# Altium PCB V3mycar.PcbDoc (part 3 of 4)
Units mil, origin at the board's own origin, x right, y up, seen from the top; angles counter-clockwise.
Board outline 5668.3 x 4141.25 mil, 2 copper layers (Top Layer, Bottom Layer); 227 components, 0 nets, 638 pads, 77 vias.
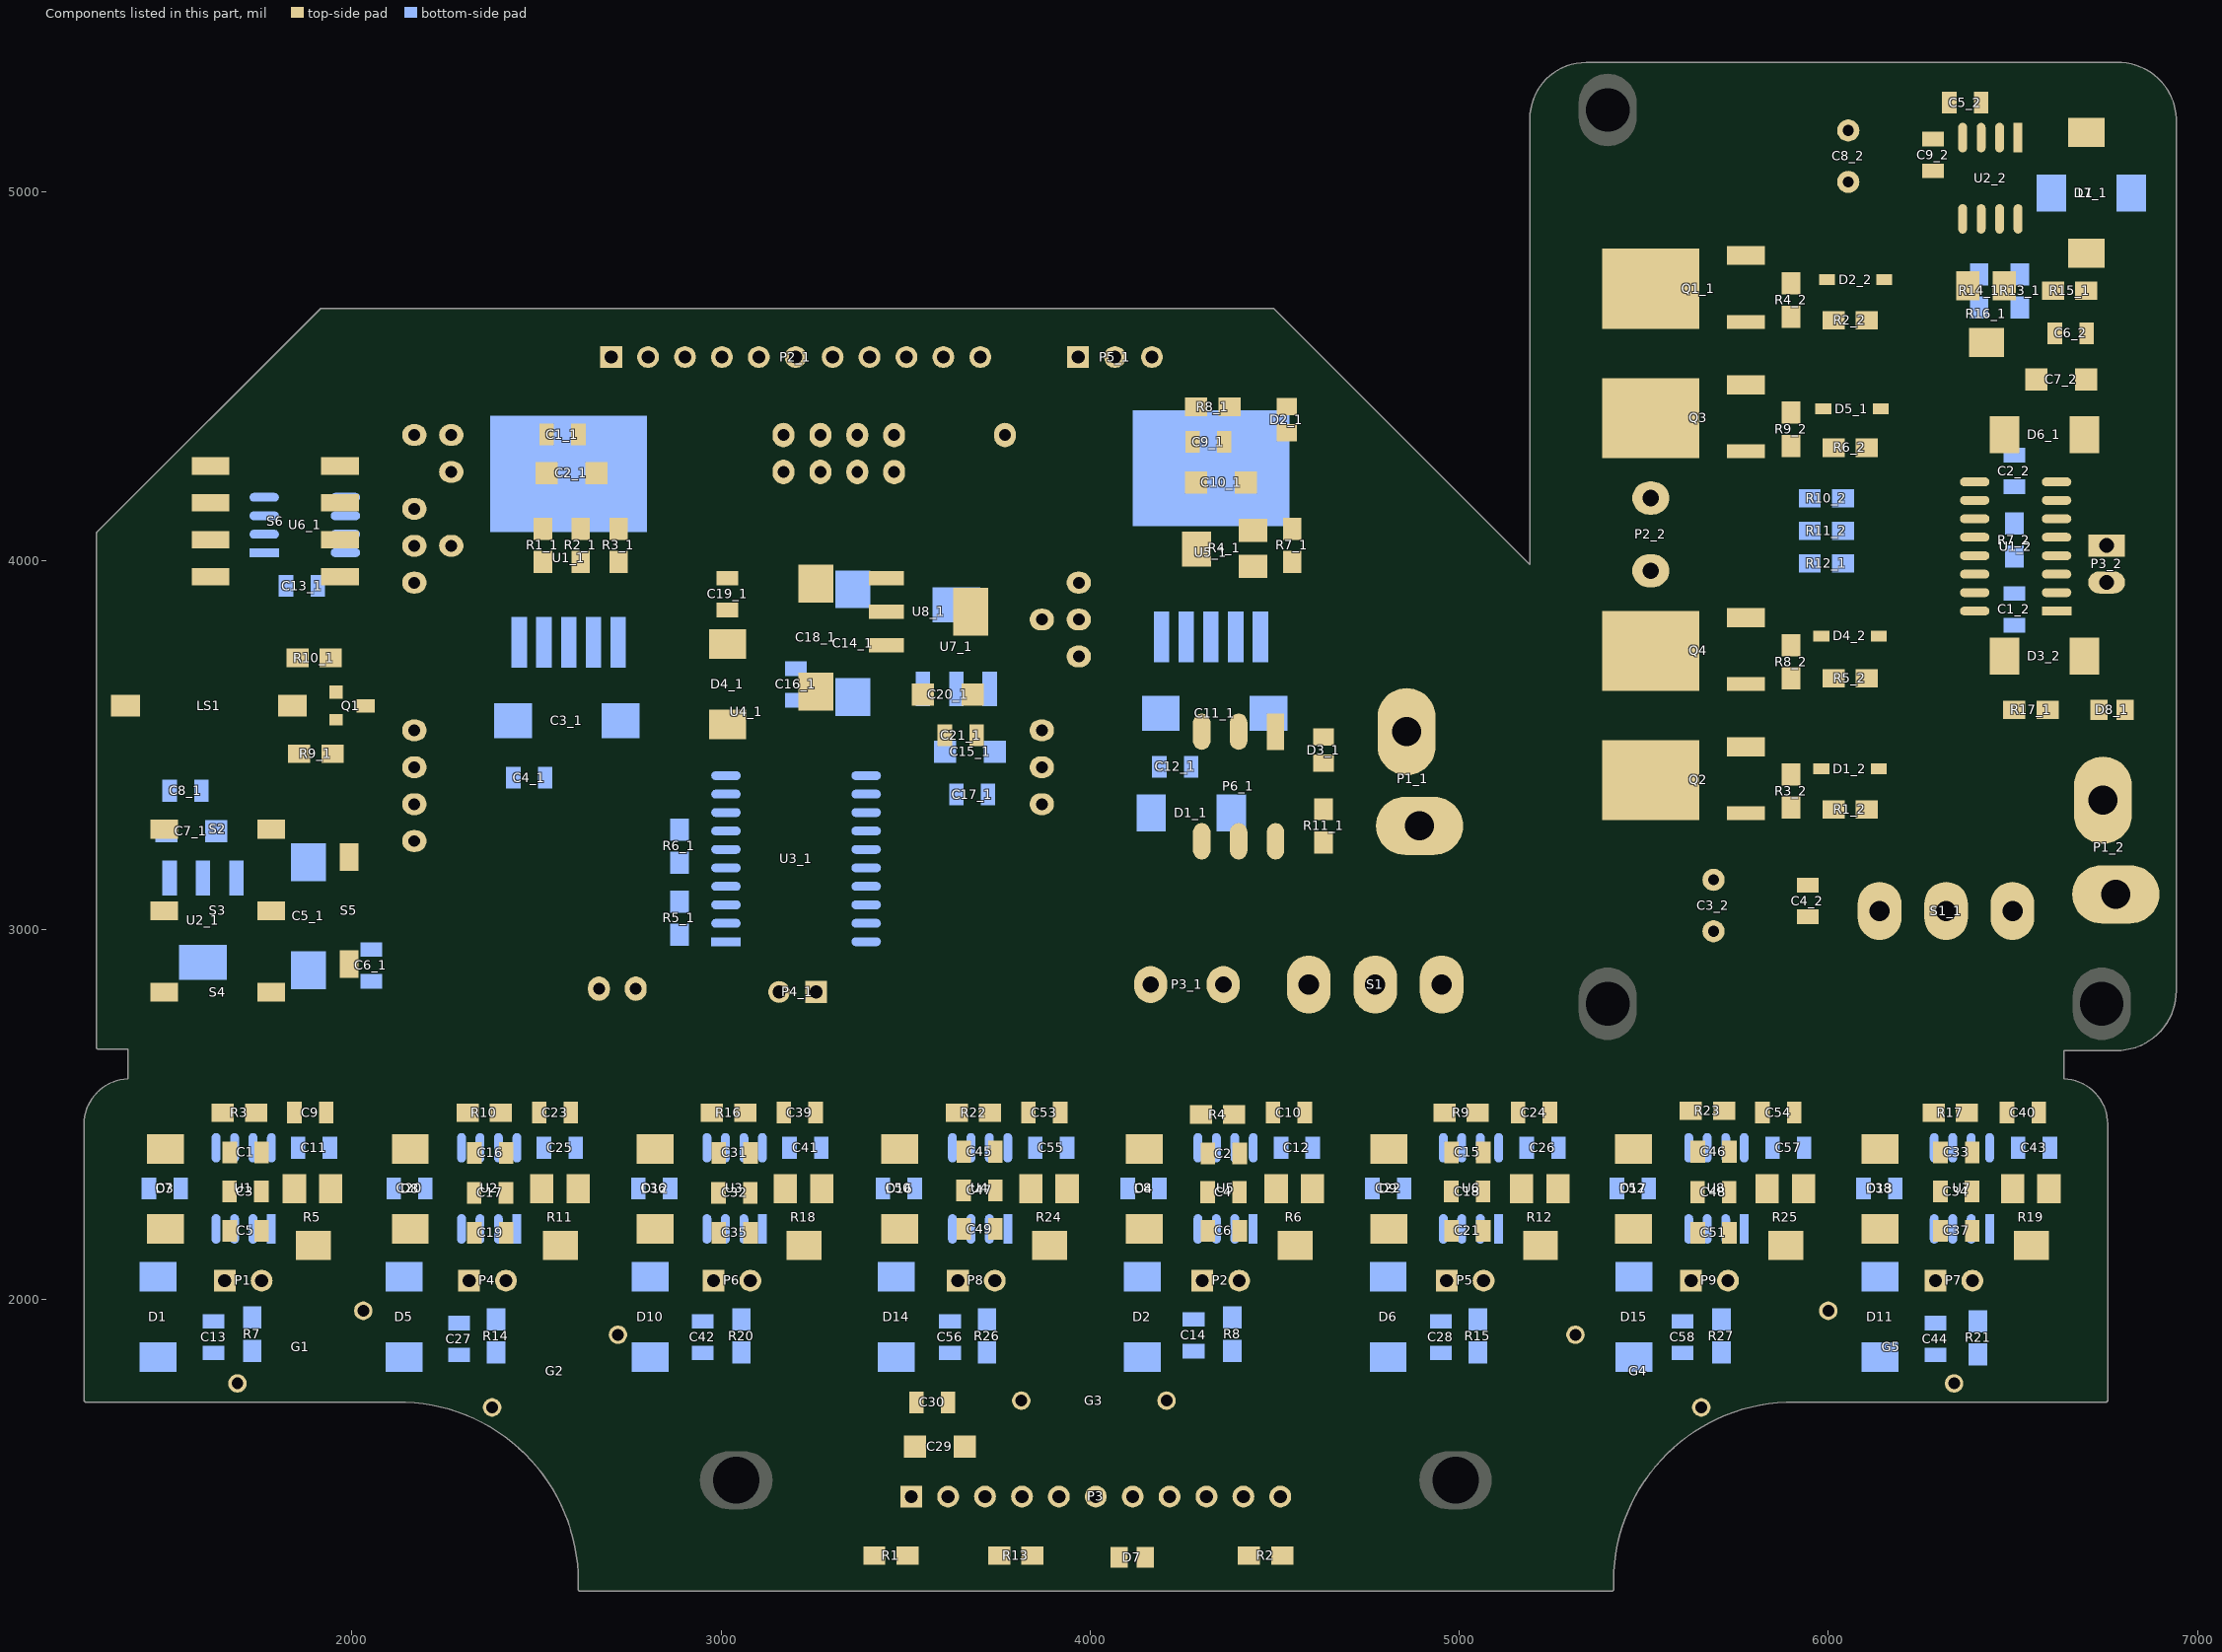
[diagram p3: the components of this part, seen from the top]

## Via types
v1: diameter 30, hole 20, Top Layer to Bottom Layer, 49 vias
v2: diameter 25, hole 18, Top Layer to Bottom Layer, 9 vias
v3: diameter 40, hole 30, Top Layer to Bottom Layer, 6 vias
v4: diameter 78.74, hole 39.37, Top Layer to Bottom Layer, 4 vias
v5: diameter 35, hole 20, Top Layer to Bottom Layer, 4 vias
v6: diameter 20, hole 15, Top Layer to Bottom Layer, 4 vias
v7: diameter 60, hole 30, Top Layer to Bottom Layer, 1 vias

## Nets (pads, with @x,y where several pads share a name; then routed paths per layer and width w, separated by ;. In a path a pad name is that pad's centre, name@x,y a point inside that pad or via, vN(x,y) a via of type N, cw(c..) or ccw(c..) an arc to the next point about the centre after c; other vN are vias at no path point) (continued)
copper on no net: (continued)
  Top Layer w1: 5301,1342 5303,1342 ; 5301,1473 5320,1473 ; 5302,1318 5304,1318 ; 5303,1314 5304,1314 ; 5303,1315 5304,1315 ; 5303,1316 5304,1316 ; 5303,1317 5304,1317 ; 5303,1343 5330,1343 ; 5303,1347 5317,1347 ; 5304,1341 5327,1341 ; 5304,1342 5328,1342 ; 5304,1344 5330,1344 ; 5304,1345 5332,1345 ; 5304,1346 5333,1346 ; 5305,1460 5306,1460 ; 5305,1461 5307,1461 ; 5306,1319 5309,1319 ; 5306,1320 5308,1320 ; 5306,1409 5309,1409 ; 5306,1453 5312,1453 ; 5306,1462 5315,1462 ; 5306,1472 5323,1472 ; 5307,1305 5323,1305 ; 5307,1316 5308,1316 ; 5307,1317 5308,1317 ; 5307,1318 5308,1318 ; 5307,1410 5310,1410 ; 5307,1463 5308,1463 ; 5308,1314 5309,1314 ; 5308,1315 5309,1315 ; 5308,1454 5310,1454 ; 5308,1455 5311,1455 ; 5308,1456 5311,1456 ; 5308,1458 5309,1458 ; 5308,1459 5310,1459 ; 5308,1460 5310,1460 ; 5309,1318 5310,1318 ; 5309,1411 5313,1411 ; 5310,1316 5313,1316 ; 5310,1317 5311,1317 ; 5310,1457 5311,1457 ; 5310,1463 5313,1463 ; 5311,1315 5312,1315 ; 5311,1318 5313,1318 ; 5311,1319 5312,1319 ; 5311,1320 5312,1320 ; 5311,1321 5312,1321 ; 5311,1412 5314,1412 ; 5311,1458 5313,1458 ; 5311,1459 5313,1459 ; 5311,1460 5313,1460 ; 5311,1464 5313,1464 ; 5311,1465 5312,1465 ; 5312,1306 5326,1306 ; 5312,1317 5313,1317 ; 5312,1461 5313,1461 ; 5312,1471 5326,1471 ; 5313,1413 5317,1413 ; 5315,1307 5328,1307 ; 5315,1318 5320,1318 ; 5315,1319 5316,1319 ; 5315,1320 5316,1320 ; 5315,1321 5316,1321 ; 5315,1322 5316,1322 ; 5315,1414 5317,1414 ; 5315,1460 5317,1460 ; 5315,1461 5317,1461 ; 5315,1470 5328,1470 ; 5316,1401 5318,1401 ; 5316,1403 5318,1403 ; 5316,1404 5318,1404 ; 5316,1405 5318,1405 ; 5316,1406 5318,1406 ; 5316,1407 5318,1407 ; 5316,1408 5318,1408 ; 5316,1409 5318,1409 ; 5316,1410 5318,1410 ; 5316,1411 5317,1411 ; 5316,1412 5317,1412 ; 5317,1317 5318,1317 ; 5317,1323 5319,1323 ; 5317,1364 5346,1364 ; 5317,1365 5346,1365 ; 5317,1366 5346,1366 ; 5317,1367 5348,1367 ; 5317,1368 5347,1368 ; 5317,1369 5348,1369 ; 5317,1370 5348,1370 ; 5317,1371 5348,1371 ; 5317,1372 5348,1372 ; 5317,1373 5350,1373 ; 5317,1374 5349,1374 ; 5317,1375 5349,1375 ; 5317,1376 5350,1376 ; 5317,1377 5350,1377 ; 5317,1378 5350,1378 ; 5317,1379 5350,1379 ; 5317,1380 5350,1380 ; 5317,1381 5350,1381 ; 5317,1382 5350,1382 ; 5317,1383 5351,1383 ; 5317,1384 5351,1384 ; 5317,1385 5351,1385 ; 5317,1386 5351,1386 ; 5317,1387 5351,1387 ; 5317,1388 5351,1388 ; 5317,1389 5351,1389 ; 5317,1390 5324,1390 ; 5317,1391 5324,1391 ; 5317,1392 5323,1392 ; 5317,1393 5322,1393 ; 5317,1394 5322,1394 ; 5317,1395 5321,1395 ; 5317,1396 5320,1396 ; 5317,1397 5319,1397 ; 5317,1398 5319,1398 ; 5317,1399 5318,1399 ; 5317,1400 5318,1400 ; 5317,1402 5318,1402 ; 5318,1320 5321,1320 ; 5318,1347 5334,1347 ; 5318,1348 5335,1348 ; 5318,1349 5336,1349 ; 5318,1350 5337,1350 ; 5318,1351 5337,1351 ; 5318,1352 5339,1352 ; 5318,1353 5339,1353 ; 5318,1354 5340,1354 ; 5318,1355 5341,1355 ; 5318,1356 5341,1356 ; 5318,1357 5342,1357 ; 5318,1358 5343,1358 ; 5318,1359 5343,1359 ; 5318,1360 5345,1360 ; 5318,1361 5344,1361 ; 5318,1362 5345,1362 ; 5318,1363 5345,1363 ; 5319,1308 5330,1308 ; 5319,1319 5321,1319 ; 5319,1321 5320,1321 ; 5319,1469 5330,1469 ; 5321,1309 5332,1309 ; 5321,1468 5332,1468 ; 5324,1310 5334,1310 ; 5324,1412 5346,1412 ; 5324,1413 5346,1413 ; 5324,1414 5345,1414 ; 5324,1415 5345,1415 ; 5324,1416 5344,1416 ; 5324,1417 5344,1417 ; 5324,1418 5343,1418 ; 5324,1419 5343,1419 ; 5324,1420 5342,1420 ; 5324,1421 5341,1421 ; 5324,1422 5341,1422 ; 5324,1423 5340,1423 ; 5324,1424 5339,1424 ; 5324,1425 5338,1425 ; 5324,1426 5337,1426 ; 5324,1427 5337,1427 ; 5324,1428 5336,1428 ; 5324,1429 5335,1429 ; 5324,1467 5334,1467 ; 5325,1390 5351,1390 ; 5325,1391 5351,1391 ; 5325,1392 5351,1392 ; 5325,1393 5351,1393 ; 5325,1394 5351,1394 ; 5325,1395 5352,1395 ; 5325,1396 5350,1396 ; 5325,1397 5350,1397 ; 5325,1398 5350,1398 ; 5325,1399 5350,1399 ; 5325,1400 5350,1400 ; 5325,1401 5350,1401 ; 5325,1402 5350,1402 ; 5325,1403 5349,1403 ; 5325,1404 5349,1404 ; 5325,1405 5348,1405 ; 5325,1406 5349,1406 ; 5325,1407 5348,1407 ; 5325,1408 5348,1408 ; 5325,1409 5348,1409 ; 5325,1410 5347,1410 ; 5325,1411 5347,1411 ; 5326,1311 5335,1311 ; 5326,1325 5328,1325 ; 5326,1326 5327,1326 ; 5326,1327 5327,1327 ; 5326,1466 5335,1466 ; 5327,1324 5328,1324 ; 5328,1323 5331,1323 ; 5329,1312 5338,1312 ; 5329,1328 5331,1328 ; 5329,1329 5330,1329 ; 5329,1465 5337,1465 ; 5330,1313 5339,1313 ; 5330,1326 5332,1326 ; 5330,1327 5332,1327 ; 5330,1464 5339,1464 ; 5331,1324 5332,1324 ; 5331,1325 5332,1325 ; 5332,1331 5336,1331 ; 5333,1314 5341,1314 ; 5333,1330 5334,1330 ; 5333,1345 5334,1345 ; 5333,1463 5341,1463 ; 5334,1315 5342,1315 ; 5334,1328 5336,1328 ; 5334,1329 5335,1329 ; 5334,1462 5342,1462 ; 5335,1316 5343,1316 ; 5335,1327 5336,1327 ; 5335,1330 5337,1330 ; 5335,1461 5343,1461 ; 5336,1333 5337,1333 ; 5336,1334 5337,1334 ; 5336,1441 5339,1441 ; 5336,1442 5344,1442 ; 5337,1317 5345,1317 ; 5337,1331 5339,1331 ; 5337,1332 5338,1332 ; 5337,1444 5339,1444 ; 5337,1445 5338,1445 ; 5337,1460 5345,1460 ; 5338,1329 5339,1329 ; 5338,1330 5340,1330 ; 5338,1351 5339,1351 ; 5339,1318 5346,1318 ; 5339,1336 5341,1336 ; 5339,1337 5340,1337 ; 5339,1437 5340,1437 ; 5339,1438 5340,1438 ; 5339,1439 5340,1439 ; 5339,1443 5342,1443 ; 5339,1459 5346,1459 ; 5340,1319 5348,1319 ; 5340,1335 5341,1335 ; 5341,1334 5342,1334 ; 5341,1444 5342,1444 ; 5341,1457 5348,1457 ; 5341,1458 5347,1458 ; 5342,1320 5348,1320 ; 5342,1333 5344,1333 ; 5342,1339 5344,1339 ; 5342,1441 5344,1441 ; 5342,1445 5344,1445 ; 5343,1338 5346,1338 ; 5343,1446 5344,1446 ; 5343,1456 5350,1456 ; 5344,1321 5350,1321 ; 5344,1322 5350,1322 ; 5344,1342 5346,1342 ; 5344,1455 5351,1455 ; 5345,1337 5348,1337 ; 5345,1341 5346,1341 ; 5346,1323 5353,1323 ; 5346,1339 5347,1339 ; 5346,1340 5347,1340 ; 5346,1454 5352,1454 ; 5347,1324 5353,1324 ; 5347,1338 5348,1338 ; 5347,1345 5348,1345 ; 5347,1453 5353,1453 ; 5348,1325 5354,1325 ; 5348,1344 5350,1344 ; 5348,1346 5349,1346 ; 5348,1452 5355,1452 ; 5349,1326 5355,1326 ; 5349,1343 5351,1343 ; 5349,1347 5350,1347 ; 5349,1451 5355,1451 ; 5350,1327 5356,1327 ; 5350,1342 5352,1342 ; 5350,1345 5351,1345 ; 5350,1450 5356,1450 ; 5351,1328 5357,1328 ; 5351,1341 5352,1341 ; 5351,1350 5353,1350 ; 5351,1351 5352,1351 ; 5351,1416 5352,1416 ; 5351,1449 5357,1449 ; 5352,1329 5358,1329 ; 5352,1343 5353,1343 ; 5352,1349 5355,1349 ; 5352,1352 5353,1352 ; 5352,1415 5357,1415 ; 5352,1448 5358,1448 ; 5353,1330 5359,1330 ; 5353,1344 5354,1344 ; 5353,1353 5355,1353 ; 5353,1414 5354,1414 ; 5353,1417 5356,1417 ; 5353,1418 5354,1418 ; 5353,1422 5356,1422 ; 5353,1447 5359,1447 ; 5354,1331 5360,1331 ; 5354,1348 5357,1348 ; 5354,1350 5355,1350 ; 5354,1351 5358,1351 ; 5354,1352 5355,1352 ; 5354,1416 5357,1416 ; 5354,1423 5356,1423 ; 5354,1446 5359,1446 ; 5355,1332 5361,1332 ; 5355,1347 5356,1347 ; 5355,1356 5358,1356 ; 5355,1357 5356,1357 ; 5355,1358 5356,1358 ; 5355,1419 5358,1419 ; 5355,1445 5361,1445 ; 5356,1333 5361,1333 ; 5356,1359 5358,1359 ; 5356,1444 5361,1444 ; 5357,1334 5362,1334 ; 5357,1335 5363,1335 ; 5357,1350 5358,1350 ; 5357,1357 5359,1357 ; 5357,1363 5360,1363 ; 5357,1414 5358,1414 ; 5357,1417 5362,1417 ; 5357,1418 5362,1418 ; 5357,1421 5366,1421 ; 5357,1422 5358,1422 ; 5357,1423 5359,1423 ; 5357,1442 5363,1442 ; 5357,1443 5362,1443 ; 5358,1358 5361,1358 ; 5358,1420 5364,1420 ; 5358,1441 5364,1441 ; 5359,1336 5364,1336 ; 5359,1337 5364,1337 ; 5359,1354 5360,1354 ; 5359,1355 5361,1355 ; 5359,1366 5360,1366 ; 5359,1367 5360,1367 ; 5359,1368 5364,1368 ; 5359,1419 5365,1419 ; 5359,1422 5365,1422 ; 5359,1424 5363,1424 ; 5359,1439 5365,1439 ; 5359,1440 5364,1440 ; 5360,1338 5365,1338 ; 5360,1356 5361,1356 ; 5360,1357 5361,1357 ; 5360,1362 5364,1362 ; 5360,1369 5361,1369 ; 5360,1370 5361,1370 ; 5360,1416 5363,1416 ; 5360,1423 5362,1423 ; 5361,1339 5366,1339 ; 5361,1340 5366,1340 ; 5361,1367 5366,1367 ; 5361,1374 5367,1374 ; 5361,1377 5363,1377 ; 5361,1415 5362,1415 ; 5361,1437 5366,1437 ; 5361,1438 5366,1438 ; 5362,1341 5367,1341 ; 5362,1361 5363,1361 ; 5362,1376 5364,1376 ; 5362,1436 5367,1436 ; 5363,1342 5368,1342 ; 5363,1435 5368,1435 ; 5364,1343 5368,1343 ; 5364,1344 5369,1344 ; 5364,1375 5367,1375 ; 5364,1423 5365,1423 ; 5364,1433 5369,1433 ; 5364,1434 5368,1434 ; 5365,1345 5370,1345 ; 5365,1346 5370,1346 ; 5365,1420 5366,1420 ; 5365,1431 5370,1431 ; 5365,1432 5370,1432 ; 5366,1347 5370,1347 ; 5366,1348 5371,1348 ; 5366,1429 5371,1429 ; 5366,1430 5370,1430 ; 5367,1349 5372,1349 ; 5367,1350 5372,1350 ; 5367,1427 5372,1427 ; 5367,1428 5371,1428 ; 5368,1351 5373,1351 ; 5368,1352 5373,1352 ; 5368,1425 5373,1425 ; 5368,1426 5373,1426 ; 5369,1353 5373,1353 ; 5369,1354 5374,1354 ; 5369,1423 5374,1423 ; 5369,1424 5373,1424 ; 5370,1355 5374,1355 ; 5370,1356 5375,1356 ; 5370,1357 5375,1357 ; 5370,1420 5375,1420 ; 5370,1421 5375,1421 ; 5370,1422 5374,1422 ; 5371,1358 5375,1358 ; 5371,1359 5376,1359 ; 5371,1418 5376,1418 ; 5371,1419 5375,1419 ; 5372,1360 5376,1360 ; 5372,1361 5377,1361 ; 5372,1415 5377,1415 ; 5372,1416 5377,1416 ; 5372,1417 5376,1417 ; 5373,1362 5377,1362 ; 5373,1363 5377,1363 ; 5373,1364 5377,1364 ; 5373,1365 5378,1365 ; 5373,1366 5378,1366 ; 5373,1412 5378,1412 ; 5373,1413 5377,1413 ; 5373,1414 5377,1414 ; 5374,1367 5378,1367 ; 5374,1368 5378,1368 ; 5374,1369 5379,1369 ; 5374,1409 5379,1409 ; 5374,1410 5378,1410 ; 5374,1411 5378,1411 ; 5375,1370 5379,1370 ; 5375,1371 5379,1371 ; 5375,1372 5379,1372 ; 5375,1373 5379,1373 ; 5375,1374 5380,1374 ; 5375,1375 5380,1375 ; 5375,1402 5380,1402 ; 5375,1403 5380,1403 ; 5375,1404 5379,1404 ; 5375,1405 5379,1405 ; 5375,1406 5379,1406 ; 5375,1407 5379,1407 ; 5375,1408 5379,1408 ; 5376,1376 5380,1376 ; 5376,1377 5380,1377 ; 5376,1378 5380,1378 ; 5376,1379 5380,1379 ; 5376,1380 5381,1380 ; 5376,1381 5381,1381 ; 5376,1382 5381,1382 ; 5376,1383 5381,1383 ; 5376,1393 5381,1393 ; 5376,1395 5381,1395 ; 5376,1396 5381,1396 ; 5376,1397 5381,1397 ; 5376,1398 5380,1398 ; 5376,1399 5380,1399 ; 5376,1400 5380,1400 ; 5376,1401 5380,1401 ; 5377,1384 5381,1384 ; 5377,1385 5381,1385 ; 5377,1386 5381,1386 ; 5377,1387 5381,1387 ; 5377,1388 5381,1388 ; 5377,1389 5381,1389 ; 5377,1390 5381,1390 ; 5377,1391 5381,1391 ; 5377,1392 5381,1392 ; 5377,1394 5381,1394 ; 6432.62,2784.54 6437.62,2784.54 ; 6432.62,2785.54 6437.62,2785.54 ; 6432.62,2786.54 6437.62,2786.54 ; 6432.62,2787.54 6436.62,2787.54 ; 6432.62,2788.54 6437.62,2788.54 ; 6432.62,2789.54 6436.62,2789.54 ; 6432.62,2790.54 6436.62,2790.54 ; 6432.62,2791.54 6436.62,2791.54 ; 6432.62,2792.54 6436.62,2792.54 ; 6432.62,2793.54 6436.62,2793.54 ; 6432.62,2794.54 6436.62,2794.54 ; 6432.62,2795.54 6436.62,2795.54 ; 6432.62,2796.54 6436.62,2796.54 ; 6432.62,2797.54 6436.62,2797.54 ; 6432.62,2798.54 6437.62,2798.54 ; 6432.62,2799.54 6437.62,2799.54 ; 6432.62,2800.54 6437.62,2800.54 ; 6432.62,2801.54 6437.62,2801.54 ; 6433.62,2778.54 6438.62,2778.54 ; 6433.62,2779.54 6438.62,2779.54 ; 6433.62,2780.54 6437.62,2780.54 ; 6433.62,2781.54 6437.62,2781.54 ; 6433.62,2782.54 6437.62,2782.54 ; 6433.62,2783.54 6437.62,2783.54 ; 6433.62,2802.54 6437.62,2802.54 ; 6433.62,2803.54 6437.62,2803.54 ; 6433.62,2804.54 6437.62,2804.54 ; 6433.62,2805.54 6437.62,2805.54 ; 6433.62,2806.54 6438.62,2806.54 ; 6433.62,2807.54 6438.62,2807.54 ; 6434.62,2772.54 6439.62,2772.54 ; 6434.62,2773.54 6438.62,2773.54 ; 6434.62,2774.54 6438.62,2774.54 ; 6434.62,2775.54 6438.62,2775.54 ; 6434.62,2776.54 6438.62,2776.54 ; 6434.62,2777.54 6438.62,2777.54 ; 6434.62,2808.54 6438.62,2808.54 ; 6434.62,2809.54 6438.62,2809.54 ; 6434.62,2810.54 6438.62,2810.54 ; 6434.62,2811.54 6438.62,2811.54 ; 6434.62,2812.54 6439.62,2812.54 ; 6435.62,2769.54 6440.62,2769.54 ; 6435.62,2770.54 6439.62,2770.54 ; 6435.62,2771.54 6439.62,2771.54 ; 6435.62,2813.54 6439.62,2813.54 ; 6435.62,2814.54 6439.62,2814.54 ; 6435.62,2815.54 6440.62,2815.54 ; 6435.62,2816.54 6440.62,2816.54 ; 6436.62,2765.54 6441.62,2765.54 ; 6436.62,2766.54 6441.62,2766.54 ; 6436.62,2767.54 6440.62,2767.54 ; 6436.62,2768.54 6440.62,2768.54 ; 6436.62,2817.54 6440.62,2817.54 ; 6436.62,2818.54 6440.62,2818.54 ; 6436.62,2819.54 6440.62,2819.54 ; 6436.62,2820.54 6441.62,2820.54 ; 6437.62,2763.54 6442.62,2763.54 ; 6437.62,2764.54 6441.62,2764.54 ; 6437.62,2821.54 6441.62,2821.54 ; 6437.62,2822.54 6442.62,2822.54 ; 6438.62,2760.54 6443.62,2760.54 ; 6438.62,2761.54 6443.62,2761.54 ; 6438.62,2762.54 6442.62,2762.54 ; 6438.62,2823.54 6442.62,2823.54 ; 6438.62,2824.54 6443.62,2824.54 ; 6438.62,2825.54 6443.62,2825.54 ; 6439.62,2758.54 6444.62,2758.54 ; 6439.62,2759.54 6443.62,2759.54 ; 6439.62,2826.54 6443.62,2826.54 ; 6439.62,2827.54 6444.62,2827.54 ; 6440.62,2755.54 6445.62,2755.54 ; 6440.62,2756.54 6445.62,2756.54 ; 6440.62,2757.54 6444.62,2757.54 ; 6440.62,2828.54 6444.62,2828.54 ; 6440.62,2829.54 6445.62,2829.54 ; 6440.62,2830.54 6445.62,2830.54 ; 6441.62,2754.54 6446.62,2754.54 ; 6441.62,2831.54 6446.62,2831.54 ; 6441.62,2832.54 6446.62,2832.54 ; 6442.62,2752.54 6447.62,2752.54 ; 6442.62,2753.54 6446.62,2753.54 ; 6442.62,2833.54 6447.62,2833.54 ; 6443.62,2749.54 6448.62,2749.54 ; 6443.62,2750.54 6448.62,2750.54 ; 6443.62,2751.54 6447.62,2751.54 ; 6443.62,2834.54 6447.62,2834.54 ; 6443.62,2835.54 6448.62,2835.54 ; 6443.62,2836.54 6448.62,2836.54 ; 6444.62,2748.54 6449.62,2748.54 ; 6444.62,2837.54 6449.62,2837.54 ; 6445.62,2746.54 6450.62,2746.54 ; 6445.62,2747.54 6449.62,2747.54 ; 6445.62,2838.54 6449.62,2838.54 ; 6445.62,2839.54 6450.62,2839.54 ; 6446.62,2745.54 6451.62,2745.54 ; 6446.62,2806.54 6449.62,2806.54 ; 6446.62,2807.54 6452.62,2807.54 ; 6446.62,2840.54 6451.62,2840.54 ; 6447.62,2743.54 6452.62,2743.54 ; 6447.62,2744.54 6452.62,2744.54 ; 6447.62,2760.54 6456.62,2760.54 ; 6447.62,2761.54 6448.62,2761.54 ; 6447.62,2814.54 6452.62,2814.54 ; 6447.62,2841.54 6452.62,2841.54 ; 6447.62,2842.54 6452.62,2842.54 ; 6448.62,2742.54 6454.62,2742.54 ; 6448.62,2758.54 6449.62,2758.54 ; 6448.62,2759.54 6454.62,2759.54 ; 6448.62,2762.54 6454.62,2762.54 ; 6448.62,2843.54 6453.62,2843.54 ; 6449.62,2740.54 6455.62,2740.54 ; 6449.62,2741.54 6454.62,2741.54 ; 6449.62,2761.54 6455.62,2761.54 ; 6449.62,2805.54 6451.62,2805.54 ; 6449.62,2813.54 6454.62,2813.54 ; 6449.62,2819.54 6453.62,2819.54 ; 6449.62,2844.54 6454.62,2844.54 ; 6449.62,2845.54 6454.62,2845.54 ; 6450.62,2739.54 6456.62,2739.54 ; 6450.62,2757.54 6454.62,2757.54 ; 6450.62,2765.54 6453.62,2765.54 ; 6450.62,2804.54 6452.62,2804.54 ; 6450.62,2820.54 6451.62,2820.54 ; 6450.62,2846.54 6456.62,2846.54 ; 6451.62,2738.54 6456.62,2738.54 ; 6451.62,2758.54 6453.62,2758.54 ; 6451.62,2763.54 6456.62,2763.54 ; 6451.62,2764.54 6456.62,2764.54 ; 6451.62,2766.54 6452.62,2766.54 ; 6451.62,2847.54 6456.62,2847.54 ; 6452.62,2736.54 6458.62,2736.54 ; 6452.62,2737.54 6457.62,2737.54 ; 6452.62,2811.54 6453.62,2811.54 ; 6452.62,2812.54 6453.62,2812.54 ; 6452.62,2823.54 6455.62,2823.54 ; 6452.62,2824.54 6453.62,2824.54 ; 6452.62,2825.54 6453.62,2825.54 ; 6452.62,2826.54 6454.62,2826.54 ; 6452.62,2848.54 6457.62,2848.54 ; 6452.62,2849.54 6458.62,2849.54 ; 6453.62,2814.54 6454.62,2814.54 ; 6453.62,2815.54 6454.62,2815.54 ; 6453.62,2818.54 6456.62,2818.54 ; 6453.62,2827.54 6454.62,2827.54 ; 6453.62,2850.54 6459.62,2850.54 ; 6454.62,2734.54 6460.62,2734.54 ; 6454.62,2735.54 6459.62,2735.54 ; 6454.62,2758.54 6456.62,2758.54 ; 6454.62,2824.54 6456.62,2824.54 ; 6454.62,2851.54 6460.62,2851.54 ; 6455.62,2733.54 6461.62,2733.54 ; 6455.62,2759.54 6456.62,2759.54 ; 6455.62,2762.54 6458.62,2762.54 ; 6455.62,2767.54 6456.62,2767.54 ; 6455.62,2822.54 6457.62,2822.54 ; 6455.62,2825.54 6458.62,2825.54 ; 6455.62,2830.54 6459.62,2830.54 ; 6455.62,2831.54 6456.62,2831.54 ; 6455.62,2852.54 6461.62,2852.54 ; 6456.62,2732.54 6462.62,2732.54 ; 6456.62,2765.54 6459.62,2765.54 ; 6456.62,2766.54 6461.62,2766.54 ; 6456.62,2833.54 6459.62,2833.54 ; 6456.62,2853.54 6462.62,2853.54 ; 6457.62,2731.54 6463.62,2731.54 ; 6457.62,2758.54 6459.62,2758.54 ; 6457.62,2759.54 6460.62,2759.54 ; 6457.62,2764.54 6460.62,2764.54 ; 6457.62,2823.54 6458.62,2823.54 ; 6457.62,2824.54 6458.62,2824.54 ; 6457.62,2834.54 6458.62,2834.54 ; 6457.62,2854.54 6463.62,2854.54 ; 6458.62,2729.54 6465.62,2729.54 ; 6458.62,2730.54 6464.62,2730.54 ; 6458.62,2828.54 6460.62,2828.54 ; 6458.62,2829.54 6459.62,2829.54 ; 6458.62,2831.54 6459.62,2831.54 ; 6458.62,2832.54 6461.62,2832.54 ; 6458.62,2855.54 6464.62,2855.54 ; 6459.62,2763.54 6460.62,2763.54 ; 6459.62,2767.54 6460.62,2767.54 ; 6459.62,2837.54 6460.62,2837.54 ; 6459.62,2856.54 6465.62,2856.54 ; 6460.62,2728.54 6466.62,2728.54 ; 6460.62,2829.54 6461.62,2829.54 ; 6460.62,2831.54 6462.62,2831.54 ; 6460.62,2838.54 6461.62,2838.54 ; 6460.62,2857.54 6466.62,2857.54 ; 6460.62,2858.54 6467.62,2858.54 ; 6461.62,2727.54 6467.62,2727.54 ; 6461.62,2765.54 6462.62,2765.54 ; 6461.62,2786.54 6488.62,2786.54 ; 6461.62,2830.54 6462.62,2830.54 ; 6461.62,2839.54 6463.62,2839.54 ; 6461.62,2840.54 6462.62,2840.54 ; 6462.62,2726.54 6469.62,2726.54 ; 6462.62,2787.54 6488.62,2787.54 ; 6462.62,2788.54 6488.62,2788.54 ; 6462.62,2789.54 6488.62,2789.54 ; 6462.62,2790.54 6488.62,2790.54 ; 6462.62,2791.54 6488.62,2791.54 ; 6462.62,2792.54 6496.62,2792.54 ; 6462.62,2793.54 6496.62,2793.54 ; 6462.62,2794.54 6496.62,2794.54 ; 6462.62,2795.54 6496.62,2795.54 ; 6462.62,2796.54 6496.62,2796.54 ; 6462.62,2797.54 6496.62,2797.54 ; 6462.62,2798.54 6496.62,2798.54 ; 6462.62,2836.54 6463.62,2836.54 ; 6462.62,2838.54 6464.62,2838.54 ; 6463.62,2725.54 6470.62,2725.54 ; 6463.62,2779.54 6488.62,2779.54 ; 6463.62,2780.54 6488.62,2780.54 ; 6463.62,2781.54 6488.62,2781.54 ; 6463.62,2782.54 6488.62,2782.54 ; 6463.62,2783.54 6488.62,2783.54 ; 6463.62,2784.54 6488.62,2784.54 ; 6463.62,2785.54 6488.62,2785.54 ; 6463.62,2799.54 6496.62,2799.54 ; 6463.62,2800.54 6496.62,2800.54 ; 6463.62,2801.54 6496.62,2801.54 ; 6463.62,2802.54 6496.62,2802.54 ; 6463.62,2803.54 6496.62,2803.54 ; 6463.62,2804.54 6496.62,2804.54 ; 6463.62,2805.54 6496.62,2805.54 ; 6463.62,2808.54 6496.62,2808.54 ; 6463.62,2834.54 6464.62,2834.54 ; 6463.62,2837.54 6465.62,2837.54 ; 6463.62,2859.54 6469.62,2859.54 ; 6463.62,2860.54 6469.62,2860.54 ; 6464.62,2775.54 6488.62,2775.54 ; 6464.62,2777.54 6488.62,2777.54 ; 6464.62,2778.54 6488.62,2778.54 ; 6464.62,2806.54 6496.62,2806.54 ; 6464.62,2807.54 6496.62,2807.54 ; 6464.62,2835.54 6465.62,2835.54 ; 6465.62,2724.54 6472.62,2724.54 ; 6465.62,2772.54 6488.62,2772.54 ; 6465.62,2773.54 6488.62,2773.54 ; 6465.62,2774.54 6488.62,2774.54 ; 6465.62,2776.54 6488.62,2776.54 ; 6465.62,2809.54 6496.62,2809.54 ; 6465.62,2810.54 6496.62,2810.54 ; 6465.62,2811.54 6496.62,2811.54 ; 6465.62,2812.54 6496.62,2812.54 ; 6465.62,2814.54 6496.62,2814.54 ; 6465.62,2836.54 6466.62,2836.54 ; 6465.62,2843.54 6466.62,2843.54 ; 6465.62,2844.54 6468.62,2844.54 ; 6465.62,2861.54 6471.62,2861.54 ; 6465.62,2862.54 6473.62,2862.54 ; 6466.62,2723.54 6472.62,2723.54 ; 6466.62,2770.54 6488.62,2770.54 ; 6466.62,2771.54 6488.62,2771.54 ; 6466.62,2813.54 6496.62,2813.54 ; 6466.62,2841.54 6467.62,2841.54 ; 6466.62,2842.54 6467.62,2842.54 ; 6467.62,2722.54 6474.62,2722.54 ; 6467.62,2768.54 6489.62,2768.54 ; 6467.62,2769.54 6489.62,2769.54 ; 6467.62,2815.54 6496.62,2815.54 ; 6467.62,2816.54 6496.62,2816.54 ; 6467.62,2817.54 6496.62,2817.54 ; 6467.62,2839.54 6469.62,2839.54 ; 6467.62,2840.54 6468.62,2840.54 ; 6467.62,2843.54 6470.62,2843.54 ; 6467.62,2863.54 6474.62,2863.54 ; 6468.62,2721.54 6476.62,2721.54 ; 6468.62,2766.54 6489.62,2766.54 ; 6468.62,2767.54 6489.62,2767.54 ; 6468.62,2818.54 6495.62,2818.54 ; 6468.62,2819.54 6495.62,2819.54 ; 6468.62,2821.54 6495.62,2821.54 ; 6468.62,2864.54 6476.62,2864.54 ; 6469.62,2735.54 6470.62,2735.54 ; 6469.62,2736.54 6471.62,2736.54 ; 6469.62,2739.54 6477.62,2739.54 ; 6469.62,2740.54 6471.62,2740.54 ; 6469.62,2764.54 6489.62,2764.54 ; 6469.62,2765.54 6489.62,2765.54 ; 6469.62,2820.54 6495.62,2820.54 ; 6469.62,2842.54 6471.62,2842.54 ; 6469.62,2848.54 6471.62,2848.54 ; 6470.62,2720.54 6478.62,2720.54 ; 6470.62,2762.54 6489.62,2762.54 ; 6470.62,2763.54 6489.62,2763.54 ; 6470.62,2822.54 6495.62,2822.54 ; 6470.62,2823.54 6495.62,2823.54 ; 6470.62,2865.54 6478.62,2865.54 ; 6471.62,2719.54 6479.62,2719.54 ; 6471.62,2737.54 6472.62,2737.54 